# KiCad board Ashwing66.kicad_pcb
title: Ashwing66; date: 2024-05-09; rev: 1; company: James Gzowski
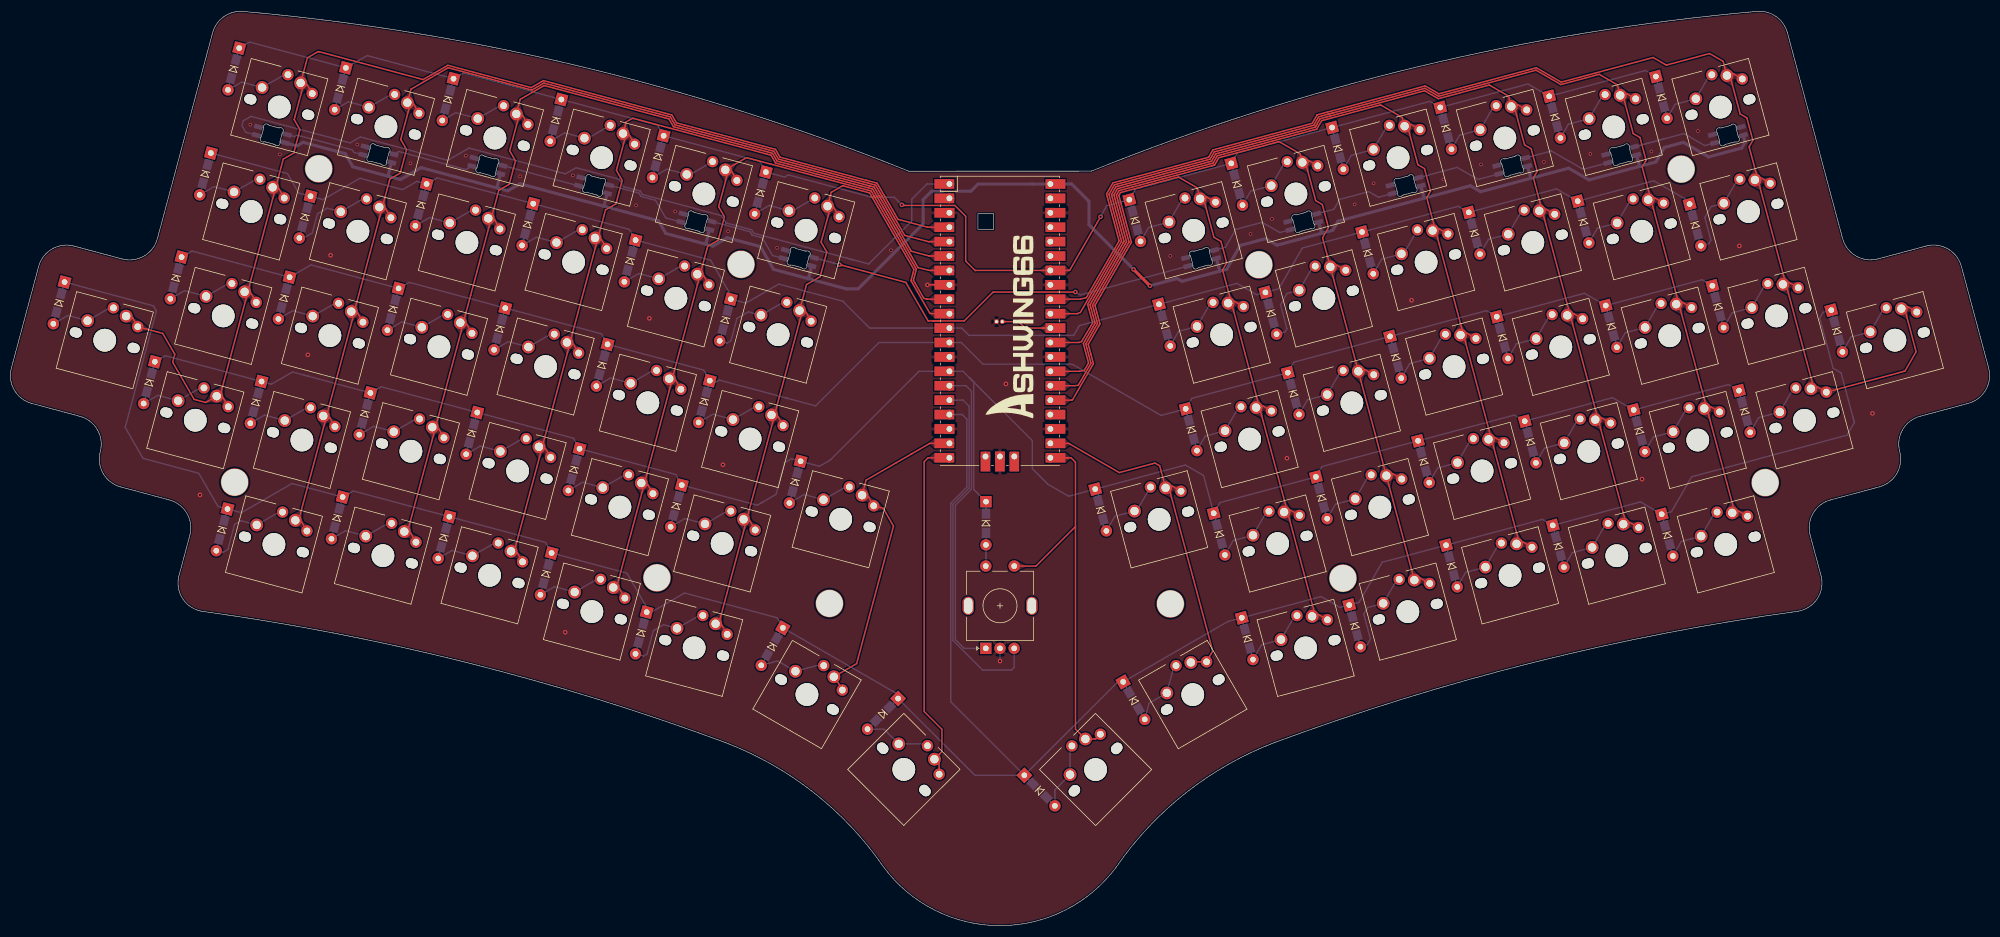
[diagram p0: board, top side]
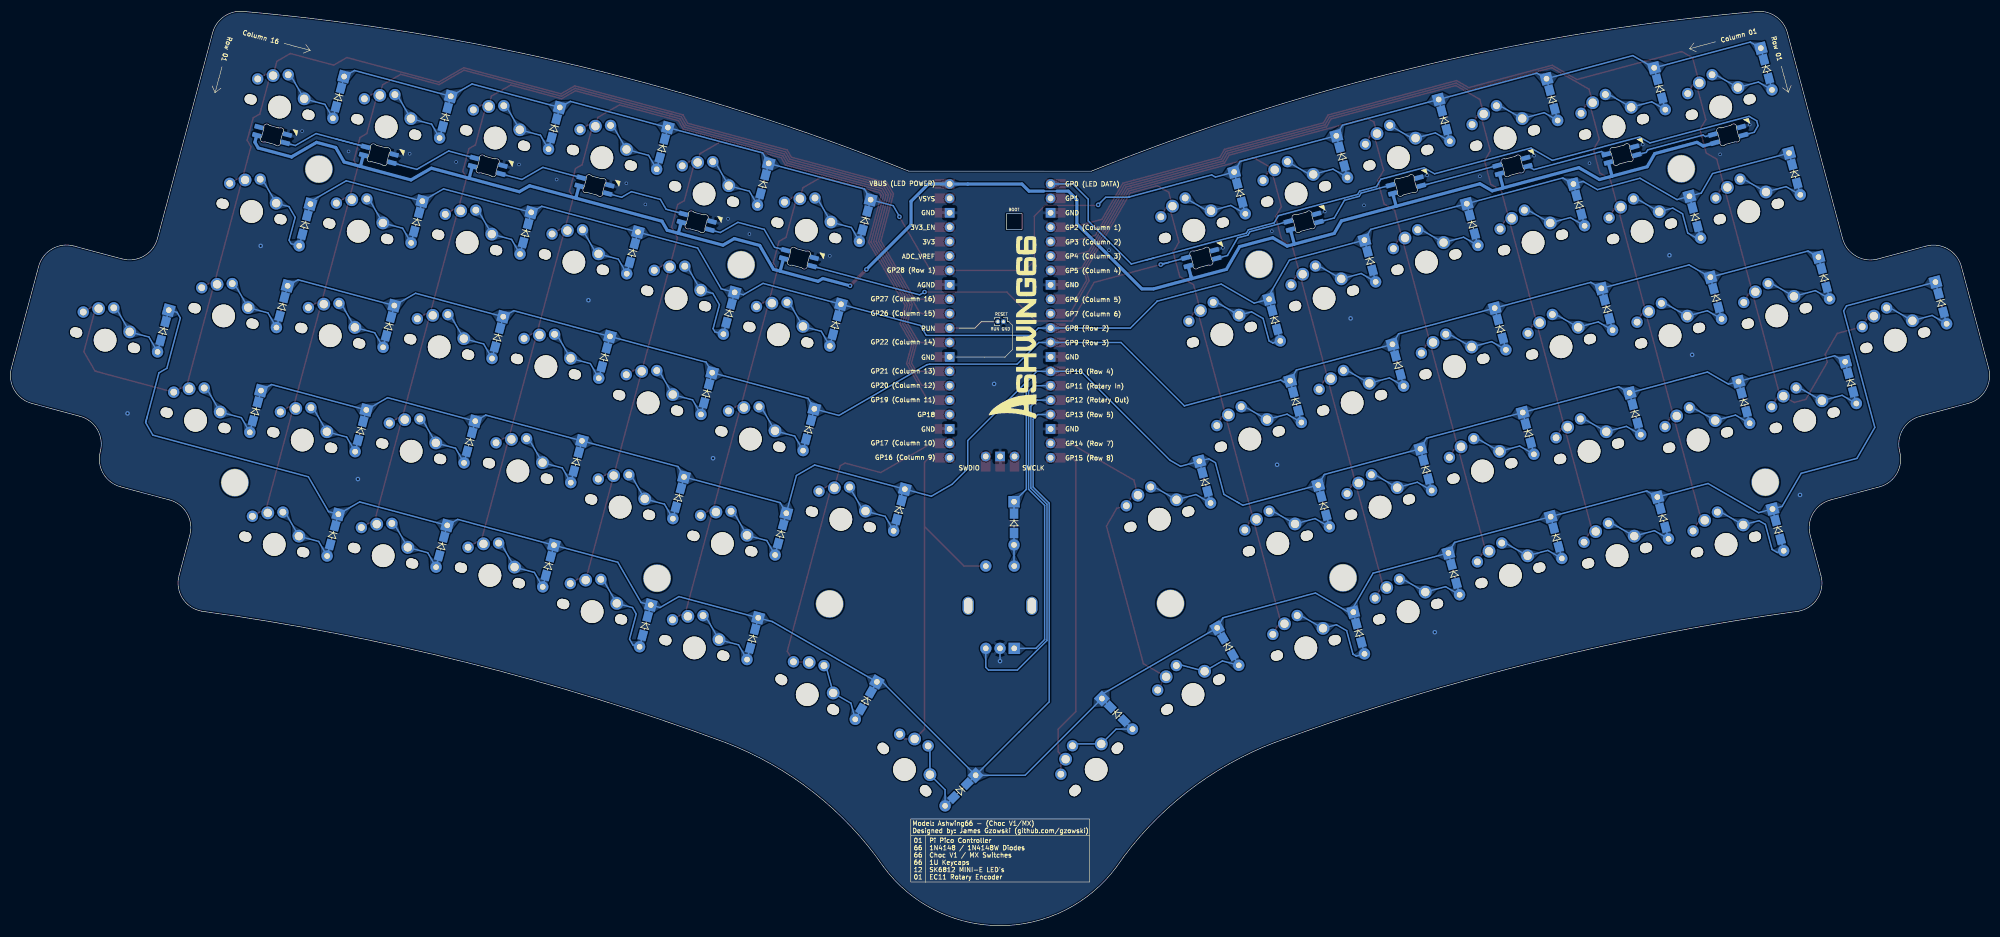
[diagram p1: board, bottom side, seen from below]

Outline 348.61 x 161.17 mm; copper layers: Top, Bottom. Coordinates in mm from the lower left corner of the outline.
Outline path: 170.41,125.49 173.19,125.49 173.19,122.72 170.41,122.72 closed ; 0.17,98.27 4.98,116.19 arc(7.34,119.27) 11.2,119.78 19.68,117.51 arc(23.53,118.02) 25.9,121.1 35.61,157.37 arc(37.6,160.22) 40.94,161.14 arc(100.62,151.4) 158.23,132.98 190.38,132.99 arc(247.98,151.41) 307.67,161.16 arc(311.01,160.23) 312.99,157.38 322.71,121.11 arc(325.08,118.03) 328.93,117.52 337.41,119.79 arc(341.27,119.28) 343.63,116.2 348.44,98.28 arc(347.93,94.43) 344.84,92.06 336.37,89.79 arc(333.28,87.42) 332.77,83.57 arc(332.27,79.71) 329.18,77.34 320.59,75.04 arc(317.51,72.68) 317,68.82 318.91,61.71 arc(318.29,57.68) 314.89,55.43 arc(268.17,46.37) 222.7,32.29 arc(207.09,23.45) 194.82,10.38 arc(174.3,0) 153.78,10.37 arc(141.51,23.44) 125.91,32.28 arc(80.44,46.36) 33.72,55.41 arc(30.32,57.67) 29.7,61.69 31.61,68.81 arc(31.1,72.66) 28.01,75.03 19.43,77.33 arc(16.34,79.7) 15.84,83.55 arc(15.33,87.41) 12.24,89.77 3.77,92.05 arc(0.68,94.42) 0.17,98.27
Stack: Top 0.035mm / dielectric 1.51mm FR4 er 4.5 / Bottom 0.035mm

## Placement (name value [footprint] x y rotation side)
D0  D  [Diode_THT_SOD123F_FIXED4]  39.32 150.99 255 bottom
D1  D  [Diode_THT_SOD123F_FIXED4]  58.11 147.51 255 bottom
D2  D  [Diode_THT_SOD123F_FIXED4]  77.06 145.6 255 bottom
D3  D  [Diode_THT_SOD123F_FIXED4]  96.06 141.94 255 bottom
D4  D  [Diode_THT_SOD123F_FIXED4]  114.08 135.55 255 bottom
D5  D  [Diode_THT_SOD123F_FIXED4]  132.08 129.15 255 bottom
D6  D  [Diode_THT_SOD123F_FIXED4]  198.08 124.29 285 bottom
D7  D  [Diode_THT_SOD123F_FIXED4]  216.03 130.68 285 bottom
D8  D  [Diode_THT_SOD123F_FIXED4]  233.79 137 285 bottom
D9  D  [Diode_THT_SOD123F_FIXED4]  252.84 140.54 285 bottom
D10  D  [Diode_THT_SOD123F_FIXED4]  272.02 142.51 285 bottom
D11  D  [Diode_THT_SOD123F_FIXED4]  290.81 145.99 285 bottom
D16  D  [Diode_THT_SOD123F_FIXED4]  34.34 132.5 255 bottom
D17  D  [Diode_THT_SOD123F_FIXED4]  51.88 124.88 255 bottom
D18  D  [Diode_THT_SOD123F_FIXED4]  72.33 127.04 255 bottom
D19  D  [Diode_THT_SOD123F_FIXED4]  91.11 123.57 255 bottom
D20  D  [Diode_THT_SOD123F_FIXED4]  109.13 117.16 255 bottom
D21  D  [Diode_THT_SOD123F_FIXED4]  125.92 106.75 255 bottom
D22  D  [Diode_THT_SOD123F_FIXED4]  203.29 105.85 285 bottom
D23  D  [Diode_THT_SOD123F_FIXED4]  222.04 107.94 285 bottom
D24  D  [Diode_THT_SOD123F_FIXED4]  239.06 118.58 285 bottom
D25  D  [Diode_THT_SOD123F_FIXED4]  257.86 122.05 285 bottom
D26  D  [Diode_THT_SOD123F_FIXED4]  277.04 124.02 285 bottom
D27  D  [Diode_THT_SOD123F_FIXED4]  296.75 123.51 285 bottom
D32  D  [Diode_THT_SOD123F_FIXED4]  8.56 109.76 255 bottom
D32#2  D  [Diode_THT_SOD123F_FIXED4]  138.2 78.18 255 bottom
D32#3  D  [Diode_THT_SOD123F_FIXED4]  29.16 114.16 255 bottom
D33  D  [Diode_THT_SOD123F_FIXED4]  48.2 110.62 255 bottom
D34  D  [Diode_THT_SOD123F_FIXED4]  67.4 108.64 255 bottom
D35  D  [Diode_THT_SOD123F_FIXED4]  86.18 105.17 255 bottom
D36  D  [Diode_THT_SOD123F_FIXED4]  104.2 98.78 255 bottom
D37  D  [Diode_THT_SOD123F_FIXED4]  122.2 92.38 255 bottom
D38  D  [Diode_THT_SOD123F_FIXED4]  208 87.41 285 bottom
D39  D  [Diode_THT_SOD123F_FIXED4]  225.98 93.79 285 bottom
D40  D  [Diode_THT_SOD123F_FIXED4]  243.99 100.18 285 bottom
D41  D  [Diode_THT_SOD123F_FIXED4]  262.79 103.65 285 bottom
D42  D  [Diode_THT_SOD123F_FIXED4]  281.97 105.62 285 bottom
D43  D  [Diode_THT_SOD123F_FIXED4]  300.76 109.1 285 bottom
D44  D  [Diode_THT_SOD123F_FIXED4]  192.06 73.26 285 bottom
D44#2  D  [Diode_THT_SOD123F_FIXED4]  321.7 104.81 285 bottom
D48  D  [Diode_THT_SOD123F_FIXED4]  24.46 95.71 255 bottom
D49  D  [Diode_THT_SOD123F_FIXED4]  43.25 92.23 255 bottom
D50  D  [Diode_THT_SOD123F_FIXED4]  62.43 90.22 255 bottom
D51  D  [Diode_THT_SOD123F_FIXED4]  81.25 86.77 255 bottom
D52  D  [Diode_THT_SOD123F_FIXED4]  99.27 80.38 255 bottom
D53  D  [Diode_THT_SOD123F_FIXED4]  117.27 73.98 255 bottom
D54  D  [Diode_THT_SOD123F_FIXED4]  212.93 69.01 285 bottom
D55  D  [Diode_THT_SOD123F_FIXED4]  230.94 75.41 285 bottom
D56  D  [Diode_THT_SOD123F_FIXED4]  248.92 81.78 285 bottom
D57  D  [Diode_THT_SOD123F_FIXED4]  267.72 85.25 285 bottom
D58  D  [Diode_THT_SOD123F_FIXED4]  286.9 87.22 285 bottom
D59  D  [Diode_THT_SOD123F_FIXED4]  305.45 90.63 285 bottom
D64  D  [Diode_THT_SOD123F_FIXED4]  37.26 69.76 255 bottom
D65  D  [Diode_THT_SOD123F_FIXED4]  57.54 71.86 255 bottom
D66  D  [Diode_THT_SOD123F_FIXED4]  76.34 68.4 255 bottom
D67  D  [Diode_THT_SOD123F_FIXED4]  94.34 62 255 bottom
D68  D  [Diode_THT_SOD123F_FIXED4]  111.09 51.58 255 bottom
D69  D  [Diode_THT_SOD123F_FIXED4]  134.15 49.19 240 bottom
D69#2  D  [Diode_THT_SOD123F_FIXED4]  153.66 37.34 225 bottom
D69#3  D  [Diode_THT_SOD123F_FIXED4]  171.83 70.92 270 bottom
D70  D  [Diode_THT_SOD123F_FIXED4]  197.89 39.66 300 bottom
D70#2  D  [Diode_THT_SOD123F_FIXED4]  181.28 23.81 315 bottom
D71  D  [Diode_THT_SOD123F_FIXED4]  217.88 50.58 285 bottom
D72  D  [Diode_THT_SOD123F_FIXED4]  236.8 52.83 285 bottom
D73  D  [Diode_THT_SOD123F_FIXED4]  253.85 63.39 285 bottom
D74  D  [Diode_THT_SOD123F_FIXED4]  272.65 66.87 285 bottom
D75  D  [Diode_THT_SOD123F_FIXED4]  291.84 68.83 285 bottom
G***  -  [LOGO]  176.25 105.45 90 top
G***#2  -  [LOGO]  171.82 105.38 90 bottom
K0  Blank  [SW_Cherry_Choc5_MX_1.00u_PCB_LED]  51.13 148.54 345 top
K1  Blank  [SW_Cherry_Choc5_MX_1.00u_PCB_LED_3D2_MX#2]  69.92 145.06 345 top
K2  Blank  [SW_Cherry_Choc5_MX_1.00u_PCB_LED_3D2_MX#2]  89.11 143.07 345 top
K3  Blank  [SW_Cherry_Choc5_MX_1.00u_PCB_LED_3D2_MX#2]  107.9 139.61 345 top
K4  Blank  [SW_Cherry_Choc5_MX_1.00u_PCB_LED_3D2_MX#2]  125.92 133.22 345 top
K5  Blank  [SW_Cherry_Choc5_MX_1.00u_PCB_LED_3D2_MX#2]  143.93 126.82 345 top
K6  Blank  [SW_Cherry_Choc5_MX_1.00u_PCB_LED_3D2_MX]  209.55 128.12 15 top
K7  Blank  [SW_Cherry_Choc5_MX_1.00u_PCB_LED_3D2_MX]  227.56 134.53 15 top
K8  Blank  [SW_Cherry_Choc5_MX_1.00u_PCB_LED_3D2_MX]  245.56 140.91 15 top
K9  Blank  [SW_Cherry_Choc5_MX_1.00u_PCB_LED_3D2_MX]  264.36 144.39 15 top
K10  Blank  [SW_Cherry_Choc5_MX_1.00u_PCB_LED_3D2_MX]  283.55 146.35 15 top
K11  Blank  [SW_Cherry_Choc5_MX_1.00u_PCB_LED_3D2_MX]  302.34 149.84 15 top
K16  Blank  [SW_Cherry_Choc5_MX_1.00u_PCB]  46.19 130.13 345 top
K17  Blank  [SW_Cherry_Choc5_MX_1.00u_PCB_3D#2]  64.98 126.65 345 top
K18  Blank  [SW_Cherry_Choc5_MX_1.00u_PCB_3D#2]  84.18 124.67 345 top
K19  Blank  [SW_Cherry_Choc5_MX_1.00u_PCB_3D#2]  102.97 121.21 345 top
K20  Blank  [SW_Cherry_Choc5_MX_1.00u_PCB_3D#2]  120.99 114.82 345 top
K21  Blank  [SW_Cherry_Choc5_MX_1.00u_PCB_3D#2]  139 108.42 345 top
K22  Blank  [SW_Cherry_Choc5_MX_1.00u_PCB_3D]  214.49 109.72 15 top
K23  Blank  [SW_Cherry_Choc5_MX_1.00u_PCB_3D]  232.49 116.11 15 top
K24  Blank  [SW_Cherry_Choc5_MX_1.00u_PCB_3D]  250.5 122.51 15 top
K25  Blank  [SW_Cherry_Choc5_MX_1.00u_PCB_3D]  269.29 125.99 15 top
K26  Blank  [SW_Cherry_Choc5_MX_1.00u_PCB_3D]  288.48 127.96 15 top
K27  Blank  [SW_Cherry_Choc5_MX_1.00u_PCB_3D]  307.27 131.44 15 top
K32  Blank  [SW_Cherry_Choc5_MX_1.00u_PCB_3D#2]  41.26 111.72 345 top
K33  Blank  [SW_Cherry_Choc5_MX_1.00u_PCB_3D#2]  60.05 108.24 345 top
K34  Blank  [SW_Cherry_Choc5_MX_1.00u_PCB_3D#2]  79.26 106.28 345 top
K35  Blank  [SW_Cherry_Choc5_MX_1.00u_PCB_3D#2]  98.03 102.8 345 top
K36  Blank  [SW_Cherry_Choc5_MX_1.00u_PCB_3D#2]  116.05 96.41 345 top
K37  Blank  [SW_Cherry_Choc5_MX_1.00u_PCB_3D#2]  134.07 90.02 345 top
K38  Blank  [SW_Cherry_Choc5_MX_1.00u_PCB_3D]  219.42 91.32 15 top
K39  Blank  [SW_Cherry_Choc5_MX_1.00u_PCB_3D]  237.42 97.71 15 top
K40  Blank  [SW_Cherry_Choc5_MX_1.00u_PCB_3D]  255.42 104.1 15 top
K41  Blank  [SW_Cherry_Choc5_MX_1.00u_PCB_3D]  274.22 107.57 15 top
K42  Blank  [SW_Cherry_Choc5_MX_1.00u_PCB_3D]  293.41 109.54 15 top
K43  Blank  [SW_Cherry_Choc5_MX_1.00u_PCB_3D]  312.2 113.04 15 top
K44  Blank  [SW_Cherry_Choc5_MX_1.00u_PCB_3D]  203.48 77.17 15 top
K44#2  Blank  [SW_Cherry_Choc5_MX_1.00u_PCB_3D]  333.06 108.76 15 top
K48  Blank  [SW_Cherry_Choc5_MX_1.00u_PCB_3D#2]  36.34 93.33 345 top
K49  Blank  [SW_Cherry_Choc5_MX_1.00u_PCB_3D#2]  55.12 89.84 345 top
K50  Blank  [SW_Cherry_Choc5_MX_1.00u_PCB_3D#2]  74.32 87.87 345 top
K51  Blank  [SW_Cherry_Choc5_MX_1.00u_PCB_3D#2]  93.1 84.4 345 top
K52  Blank  [SW_Cherry_Choc5_MX_1.00u_PCB_3D#2]  111.13 78.02 345 top
K53  Blank  [SW_Cherry_Choc5_MX_1.00u_PCB_3D#2]  129.13 71.61 345 top
K54  Blank  [SW_Cherry_Choc5_MX_1.00u_PCB_3D]  224.34 72.91 15 top
K55  Blank  [SW_Cherry_Choc5_MX_1.00u_PCB_3D]  242.35 79.32 15 top
K56  Blank  [SW_Cherry_Choc5_MX_1.00u_PCB_3D]  260.36 85.71 15 top
K57  Blank  [SW_Cherry_Choc5_MX_1.00u_PCB_3D]  279.15 89.18 15 top
K58  Blank  [SW_Cherry_Choc5_MX_1.00u_PCB_3D]  298.34 91.16 15 top
K59  Blank  [SW_Cherry_Choc5_MX_1.00u_PCB_3D]  317.13 94.64 15 top
K60  Blank  [SW_Cherry_Choc5_MX_1.00u_PCB_3D#2]  150.01 75.88 345 top
K60#2  Blank  [SW_Cherry_Choc5_MX_1.00u_PCB_3D#2]  20.39 107.44 345 top
K64  Blank  [SW_Cherry_Choc5_MX_1.00u_PCB_3D#2]  50.19 71.44 345 top
K65  Blank  [SW_Cherry_Choc5_MX_1.00u_PCB_3D#2]  69.39 69.47 345 top
K66  Blank  [SW_Cherry_Choc5_MX_1.00u_PCB_3D#2]  88.17 66 345 top
K67  Blank  [SW_Cherry_Choc5_MX_1.00u_PCB_3D#2]  106.19 59.61 345 top
K68  Blank  [SW_Cherry_Choc5_MX_1.00u_PCB_3D#2]  124.2 53.21 345 top
K69  Blank  [SW_Cherry_Choc5_MX_1.00u_PCB_3D]  162.75 29.34 315 top
K69#2  Blank  [SW_Cherry_Choc5_MX_1.00u_PCB_3D]  145.04 43.86 330 top
K70  Blank  [SW_Cherry_Choc5_MX_1.00u_PCB_3D]  189.34 32.9 45 top
K70#2  Blank  [SW_Cherry_Choc5_MX_1.00u_PCB_3D]  207.92 46.39 30 top
K71  Blank  [SW_Cherry_Choc5_MX_1.00u_PCB_3D]  229.28 54.52 15 top
K72  Blank  [SW_Cherry_Choc5_MX_1.00u_PCB_3D]  247.28 60.91 15 top
K73  Blank  [SW_Cherry_Choc5_MX_1.00u_PCB_3D]  265.28 67.3 15 top
K74  Blank  [SW_Cherry_Choc5_MX_1.00u_PCB_3D]  284.08 70.77 15 top
K75  Blank  [SW_Cherry_Choc5_MX_1.00u_PCB_3D]  303.27 72.76 15 top
pico  -  [RPi_Pico_SMD_TH]  174.29 106.6 0 top
RESET  -  [PinHeader_1x02_P1.00mm_Vertical]  173.69 106.46 270 bottom
RotEnc  -  [RotaryEncoder_EC11]  174.3 56.38 90 top
TH3  HOLE  [HOLE_M2_TH]  144.27 56.79 0 top
TH3#2  HOLE  [HOLE_M2_TH]  113.88 61.31 0 top
TH3#3  HOLE  [HOLE_M2_TH]  128.69 116.56 0 top
TH3#4  HOLE  [HOLE_M2_TH]  54.31 133.41 0 top
TH3#5  HOLE  [HOLE_M2_TH]  39.51 78.16 0 top
TH3#6  HOLE  [HOLE_M2_TH]  309.08 78.09 180 bottom
TH3#7  HOLE  [HOLE_M2_TH]  219.9 116.49 180 bottom
TH3#8  HOLE  [HOLE_M2_TH]  294.28 133.34 180 bottom
TH3#9  HOLE  [HOLE_M2_TH]  204.32 56.72 180 bottom
TH3#10  HOLE  [HOLE_M2_TH]  234.71 61.24 180 bottom

## Library data of the parts
D0-D11 D16-D27 D32#3 D33-D43 D44#2 D48-D59 D64-D75 = -: ki_fp_filters: TO-???* *_Diode_* *SingleDiode* D_*
K0-K11 K69 K69#2 K70 K70#2 = -: Field4: 1

## Footprints (pads in the part's own frame, mm; a bottom-side part is the same pattern mirrored in y, then rotated)
Diode_THT_SOD123F_FIXED4
  rect 2x2 hole 1: 1(-3.81,0)
  rect 1.8x1.5 smd: 1(-1.7,0) 2(1.7,0)
  round 1.999 hole 1: 2(3.81,0)
HOLE_M2_TH
  round 4.9 hole 4.7: (0,0)
PinHeader_1x02_P1.00mm_Vertical
  round 0.85 hole 0.5: 1(0,0) 2(0,-1)
RotaryEncoder_EC11
  oval 3.2x2 hole 2.8x1.5 unplated: (0,5.6) (0,-5.6)
  rect 2x2 hole 1: A(-7.5,2.5)
  round 2 hole 1: B(-7.5,-2.5) C(-7.5,0) ROTIN(7,2.5) S1(7,-2.5)
RPi_Pico_SMD_TH
  oval 1.7x1.7 hole 1.02: 1(-8.89,24.13) 2(-8.89,21.59) 4(-8.89,16.51) 5(-8.89,13.97) 6(-8.89,11.43) 7(-8.89,8.89) 9(-8.89,3.81) 10(-8.89,1.27) 11(-8.89,-1.27) 12(-8.89,-3.81) 14(-8.89,-8.89) 15(-8.89,-11.43) 16(-8.89,-13.97) 17(-8.89,-16.51) 19(-8.89,-21.59) 20(-8.89,-24.13) 21(8.89,-24.13) 22(8.89,-21.59) 24(8.89,-16.51) 25(8.89,-13.97) 26(8.89,-11.43) 27(8.89,-8.89) 29(8.89,-3.81) 30(8.89,-1.27) 31(8.89,1.27) 32(8.89,3.81) 34(8.89,8.89) 35(8.89,11.43) 36(8.89,13.97) 37(8.89,16.51) 39(8.89,21.59) 40(8.89,24.13) 41(-2.54,-23.9) 43(2.54,-23.9)
  rect 3.5x1.7 smd: 1(-8.89,24.13) 2(-8.89,21.59) 3(-8.89,19.05) 4(-8.89,16.51) 5(-8.89,13.97) 6(-8.89,11.43) 7(-8.89,8.89) 8(-8.89,6.35) 9(-8.89,3.81) 10(-8.89,1.27) 11(-8.89,-1.27) 12(-8.89,-3.81) 13(-8.89,-6.35) 14(-8.89,-8.89) 15(-8.89,-11.43) 16(-8.89,-13.97) 17(-8.89,-16.51) 18(-8.89,-19.05) 19(-8.89,-21.59) 20(-8.89,-24.13) 21(8.89,-24.13) 22(8.89,-21.59) 23(8.89,-19.05) 24(8.89,-16.51) 25(8.89,-13.97) 26(8.89,-11.43) 27(8.89,-8.89) 28(8.89,-6.35) 29(8.89,-3.81) 30(8.89,-1.27) 31(8.89,1.27) 32(8.89,3.81) 33(8.89,6.35) 34(8.89,8.89) 35(8.89,11.43) 36(8.89,13.97) 37(8.89,16.51) 38(8.89,19.05) 39(8.89,21.59) 40(8.89,24.13)
  rect 1.7x1.7 hole 1.02: 3(-8.89,19.05) 8(-8.89,6.35) 13(-8.89,-6.35) 18(-8.89,-19.05) 23(8.89,-19.05) 28(8.89,-6.35) 33(8.89,6.35) 38(8.89,19.05) 42(0,-23.9)
  rect 1.7x3.5 smd: 41(-2.54,-23.9) 42(0,-23.9) 43(2.54,-23.9)
SW_Cherry_Choc5_MX_1.00u_PCB
  round 1.7 hole 1.7 unplated: (-8.04,-5.08) (2.96,-5.08)
  round 1.75 hole 1.75 unplated: (-7.62,-5.08) (2.54,-5.08)
  round 4 hole 4 unplated: (-2.54,-5.08)
  round 2.25 hole 1.47: 1(0,0)
  round 2 hole 1.2: 1(2.46,-1.28) 2(-2.54,0.82)
  oval 2.25x2.25 hole 1.47: 2(-6.35,-2.54)
SW_Cherry_Choc5_MX_1.00u_PCB_3D
  round 1.7 hole 1.7 unplated: (-8.04,-5.08) (2.96,-5.08)
  round 1.75 hole 1.75 unplated: (-7.62,-5.08) (2.54,-5.08)
  round 4 hole 4 unplated: (-2.54,-5.08)
  round 2.25 hole 1.47: 1(0,0)
  round 2 hole 1.2: 1(2.46,-1.28) 2(-2.54,0.82)
  oval 2.25x2.25 hole 1.47: 2(-6.35,-2.54)
SW_Cherry_Choc5_MX_1.00u_PCB_3D#2
  round 1.7 hole 1.7 unplated: (-8.04,-5.08) (2.96,-5.08)
  round 1.75 hole 1.75 unplated: (-7.62,-5.08) (2.54,-5.08)
  round 4 hole 4 unplated: (-2.54,-5.08)
  round 2.25 hole 1.47: 1(0,0)
  round 2 hole 1.2: 1(2.46,-1.28) 2(-2.54,0.82)
  oval 2.25x2.25 hole 1.47: 2(-6.35,-2.54)
SW_Cherry_Choc5_MX_1.00u_PCB_LED
  round 1.7 hole 1.7 unplated: (-8.04,-5.08) (2.96,-5.08)
  round 1.75 hole 1.75 unplated: (-7.62,-5.08) (2.54,-5.08)
  round 4 hole 4 unplated: (-2.54,-5.08)
  round 2.25 hole 1.47: 1(0,0)
  rrect 1.6x0.82 smd far side: 1(0.055,-10.905) 2(0.055,-9.405) 3(-5.145,-9.405) 4(-5.145,-10.905)
  round 2 hole 1.2: 1(2.46,-1.28) 2(-2.54,0.82)
  oval 2.25x2.25 hole 1.47: 2(-6.35,-2.54)
SW_Cherry_Choc5_MX_1.00u_PCB_LED_3D2_MX
  round 1.7 hole 1.7 unplated: (-8.04,-5.08) (2.96,-5.08)
  round 1.75 hole 1.75 unplated: (-7.62,-5.08) (2.54,-5.08)
  round 4 hole 4 unplated: (-2.54,-5.08)
  round 2.25 hole 1.47: 1(0,0)
  rrect 1.6x0.82 smd far side: 1(0.055,-10.905) 2(0.055,-9.405) 3(-5.145,-9.405) 4(-5.145,-10.905)
  round 2 hole 1.2: 1(2.46,-1.28) 2(-2.54,0.82)
  oval 2.25x2.25 hole 1.47: 2(-6.35,-2.54)
SW_Cherry_Choc5_MX_1.00u_PCB_LED_3D2_MX#2
  round 1.7 hole 1.7 unplated: (-8.04,-5.08) (2.96,-5.08)
  round 1.75 hole 1.75 unplated: (-7.62,-5.08) (2.54,-5.08)
  round 4 hole 4 unplated: (-2.54,-5.08)
  round 2.25 hole 1.47: 1(0,0)
  rrect 1.6x0.82 smd far side: 1(0.055,-10.905) 2(0.055,-9.405) 3(-5.145,-9.405) 4(-5.145,-10.905)
  round 2 hole 1.2: 1(2.46,-1.28) 2(-2.54,0.82)
  oval 2.25x2.25 hole 1.47: 2(-6.35,-2.54)

## Nets
3V3: pico.36
3V3EN: pico.37
GND: K0.3 K1.3 K2.3 K3.3 K4.3 K5.3 K6.3 K7.3 K8.3 K9.3 K10.3 K11.3 pico.3 pico.8 pico.13 pico.18 pico.23 pico.28 pico.33 pico.38 pico.42 RESET.1 RotEnc.C
VBUS: pico.40
Col_0: K16.1 K32.1 K48.1 K60#2.1 pico.4
Col_0|VBUS: K0.1
Col_1: K17.1 K33.1 K49.1 K64.1 pico.5
Col_1|VBUS: K1.1
Col_2: K18.1 K34.1 K50.1 K65.1 pico.6
Col_2|VBUS: K2.1
Col_3: K19.1 K35.1 K51.1 K66.1 pico.7
Col_3|VBUS: K3.1
Col_4: K20.1 K36.1 K52.1 K67.1 pico.9
Col_4|VBUS: K4.1
Col_5: K21.1 K37.1 K53.1 K68.1 pico.10
Col_5|VBUS: K5.1
Col_6: K60.1 K69#2.1 pico.19
Col_7: K69.1 pico.20
Col_8: K70.1 pico.21 RotEnc.S1
Col_9: K44.1 K70#2.1 pico.22
Col_10: K22.1 K38.1 K54.1 K71.1 pico.25
Col_10|VBUS: K6.1
Col_11: K23.1 K39.1 K55.1 K72.1 pico.26
Col_11|VBUS: K7.1
Col_12: K24.1 K40.1 K56.1 K73.1 pico.27
Col_12|VBUS: K8.1
Col_13: K25.1 K41.1 K57.1 K74.1 pico.29
Col_13|VBUS: K9.1
Col_14: K26.1 K42.1 K58.1 K75.1 pico.31
Col_14|VBUS: K10.1
Col_15: K27.1 K43.1 K44#2.1 K59.1 pico.32
Col_15|VBUS: K11.1
LED1: K0.4 pico.1
LED2: K1.4
LED2|Net-(D0-A): K0.2
LED3: K2.4
LED3|Net-(D1-A): K1.2
LED4: K3.4
LED4|Net-(D2-A): K2.2
LED5: K4.4
LED5|Net-(D3-A): K3.2
LED6: K5.4
LED6|Net-(D4-A): K4.2
LED7: K6.4
LED7|Net-(D5-A): K5.2
LED8: K7.4
LED8|Net-(D6-A): K6.2
LED9: K8.4
LED9|Net-(D7-A): K7.2
LED10: K9.4
LED10|Net-(D8-A): K8.2
LED11: K10.4
LED11|Net-(D9-A): K9.2
LED12: K11.4
LED12|Net-(D10-A): K10.2
NET-(DEXT-A): D69#2.2 K69.2
ROT_BUT: D69#3.2 RotEnc.ROTIN
ROT_IN: pico.15 RotEnc.A
ROT_OUT: pico.16 RotEnc.B
Row_0: D0.1 D1.1 D2.1 D3.1 D4.1 D5.1 D6.1 D7.1 D8.1 D9.1 D10.1 D11.1 pico.34
Row_1: D16.1 D17.1 D18.1 D19.1 D20.1 D21.1 D22.1 D23.1 D24.1 D25.1 D26.1 D27.1 pico.11
Row_2: D32#3.1 D33.1 D34.1 D35.1 D36.1 D37.1 D38.1 D39.1 D40.1 D41.1 D42.1 D43.1 pico.12
Row_3: D32#2.1 D44.1 D48.1 D49.1 D50.1 D51.1 D52.1 D53.1 D54.1 D55.1 D56.1 D57.1 D58.1 D59.1 D69#3.1 pico.14
Row_4: D32.1 D44#2.1 D64.1 D65.1 D66.1 D67.1 D68.1 D69.1 D69#2.1 D70.1 D70#2.1 D71.1 D72.1 D73.1 D74.1 D75.1 pico.17
RUN: pico.30 RESET.2
VSYS: pico.39
Net-(D0-A): D0.2
Net-(D1-A): D1.2
Net-(D2-A): D2.2
Net-(D3-A): D3.2
Net-(D4-A): D4.2
Net-(D5-A): D5.2
Net-(D6-A): D6.2
Net-(D7-A): D7.2
Net-(D8-A): D8.2
Net-(D9-A): D9.2
Net-(D10-A): D10.2
Net-(D11-A): D11.2 K11.2
Net-(D16-A): D16.2 K16.2
Net-(D17-A): D17.2 K17.2
Net-(D18-A): D18.2 K18.2
Net-(D19-A): D19.2 K19.2
Net-(D20-A): D20.2 K20.2
Net-(D21-A): D21.2 K21.2
Net-(D22-A): D22.2 K22.2
Net-(D23-A): D23.2 K23.2
Net-(D24-A): D24.2 K24.2
Net-(D25-A): D25.2 K25.2
Net-(D26-A): D26.2 K26.2
Net-(D27-A): D27.2 K27.2
Net-(D32-A): D32#3.2 K32.2
Net-(D33-A): D33.2 K33.2
Net-(D34-A): D34.2 K34.2
Net-(D35-A): D35.2 K35.2
Net-(D36-A): D36.2 K36.2
Net-(D37-A): D37.2 K37.2
Net-(D38-A): D38.2 K38.2
Net-(D39-A): D39.2 K39.2
Net-(D40-A): D40.2 K40.2
Net-(D41-A): D41.2 K41.2
Net-(D42-A): D42.2 K42.2
Net-(D43-A): D43.2 K43.2
Net-(D44-A): D44.2 D44#2.2 K44.2 K44#2.2
Net-(D48-A): D48.2 K48.2
Net-(D49-A): D49.2 K49.2
Net-(D50-A): D50.2 K50.2
Net-(D51-A): D51.2 K51.2
Net-(D52-A): D52.2 K52.2
Net-(D53-A): D53.2 K53.2
Net-(D54-A): D54.2 K54.2
Net-(D55-A): D55.2 K55.2
Net-(D56-A): D56.2 K56.2
Net-(D57-A): D57.2 K57.2
Net-(D58-A): D58.2 K58.2
Net-(D59-A): D59.2 K59.2
Net-(D60-A): D32.2 D32#2.2 K60.2 K60#2.2
Net-(D61-A): D70#2.2 K70.2
Net-(D64-A): D64.2 K64.2
Net-(D65-A): D65.2 K65.2
Net-(D66-A): D66.2 K66.2
Net-(D67-A): D67.2 K67.2
Net-(D68-A): D68.2 K68.2
Net-(D69-A): D69.2 K69#2.2
Net-(D70-A): D70.2 K70#2.2
Net-(D71-A): D71.2 K71.2
Net-(D72-A): D72.2 K72.2
Net-(D73-A): D73.2 K73.2
Net-(D74-A): D74.2 K74.2
Net-(D75-A): D75.2 K75.2

Pads without a net: pico 2 24 35 41 43

## Via types
v1: diameter 0.6, hole 0.4, Top to Bottom, 23 vias
v2: diameter 0.8, hole 0.4, Top to Bottom, 20 vias
